# KiCad board dilemma.kicad_pcb (continued)
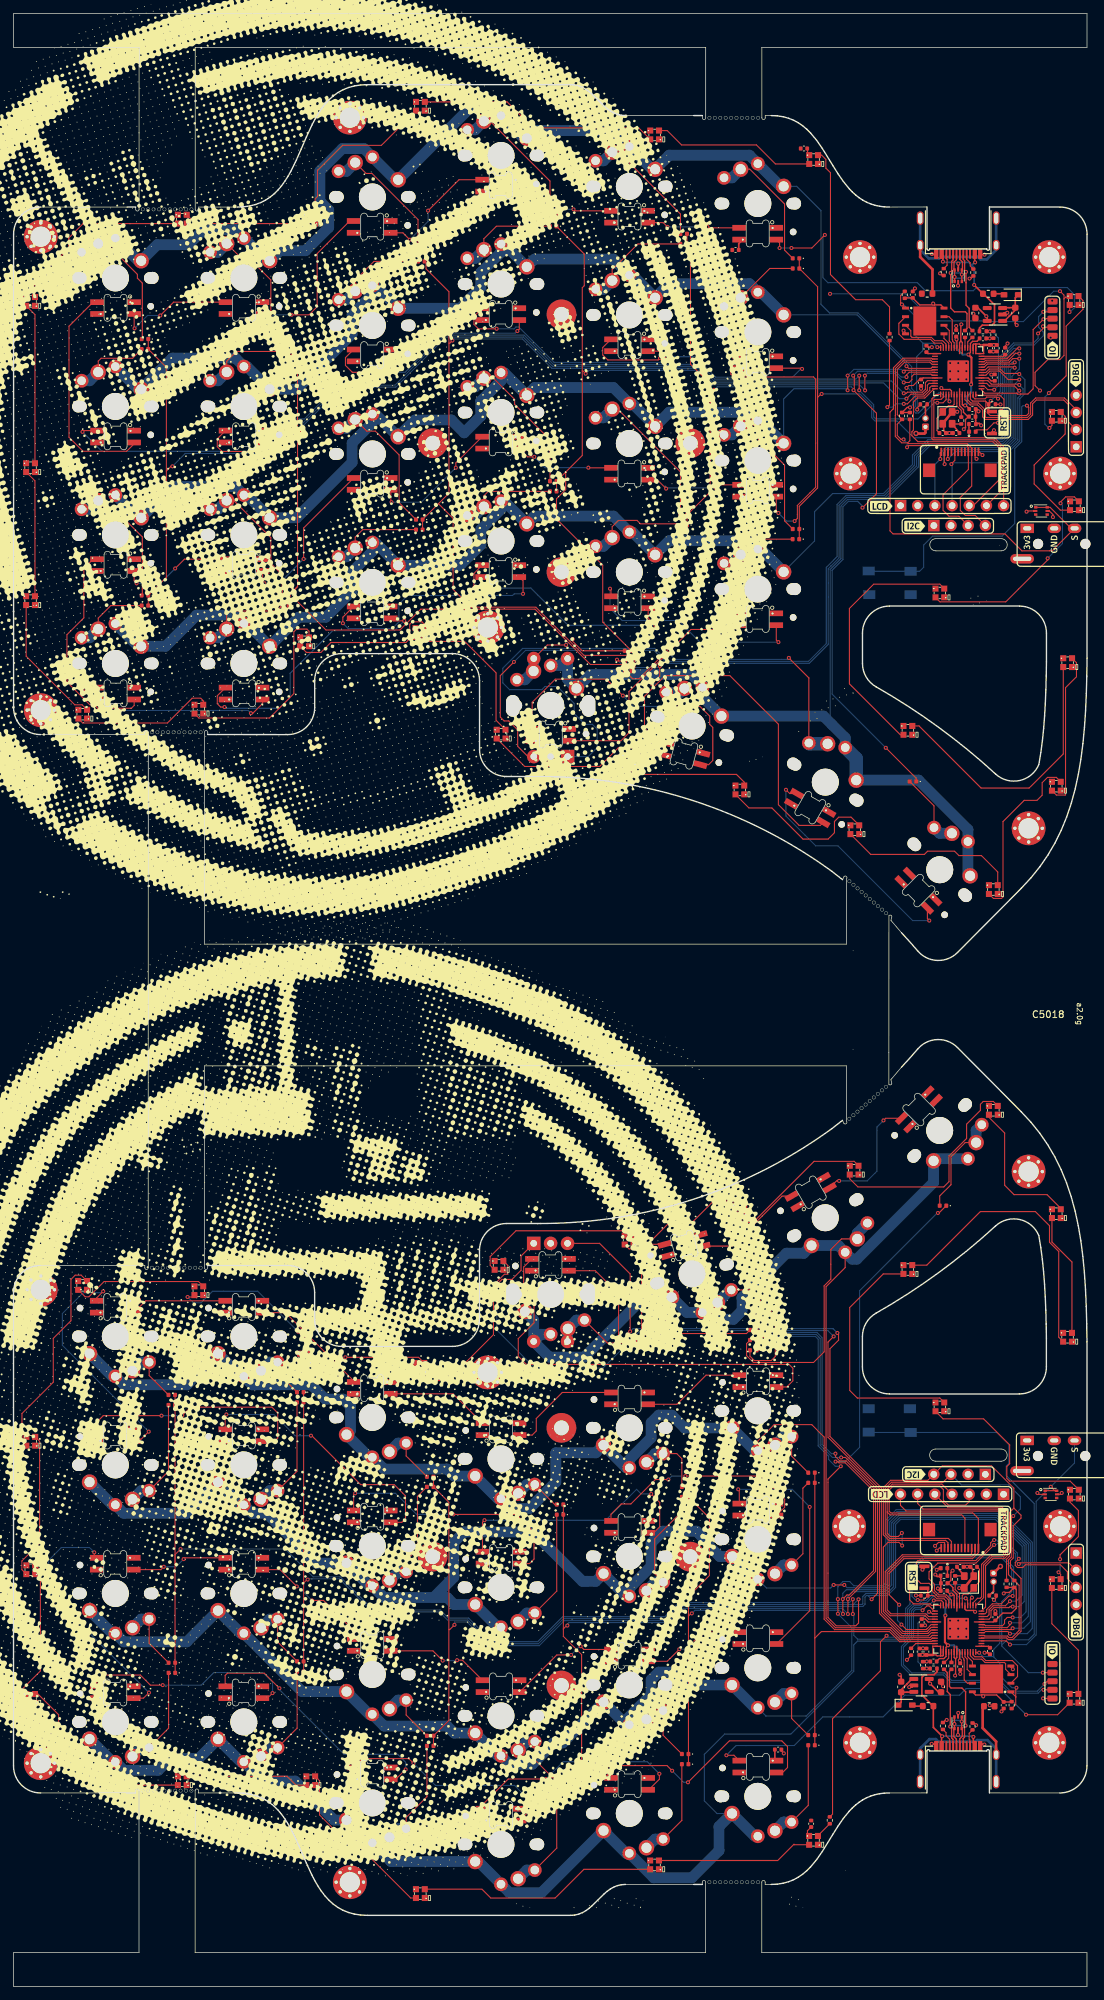
[diagram p0: board, top side]
## Routing (per net, layer and track width the routed paths; a pad name or vN(x,y) marks a point on that pad's centre or on a via; arc(x,y) is an arc through that point) (continued)
Net-(D5076-A): length 23.1
  Top w0.16: D5076.2 79.32,228.7 74.1,233.92 74.1,234.67 70.97,237.8 SW108.2
  Bottom w1.6: SW108.2 68.27,236.52 SW108.2
Net-(D5077-A): length 16.3
  Top w0.16: D5077.2 92.32,257.64 88.52,253.84 SW112.2
  Bottom w1.6: SW112.2 87.24,250.95 SW112.2
Net-(D5078-A): length 23.3
  Top w0.16: SW113.2 89.34,233.23 98.61,223.95 D5078.2
  Bottom w1.6: SW113.2 87.24,231.95 SW113.2
Net-(D5079-A): length 12.5
  Top w0.16: D5079.2 111.83,254.02 107.52,249.71 SW115.2
  Bottom w1.6: SW115.2 106.24,248.42 SW115.2
Net-(D5080-A): length 21.8
  Top w0.16: SW116.2 108.27,230.7 114.01,224.95 114.01,216.7 D5080.2
  Bottom w1.6: SW116.2 106.24,229.42 SW116.2
Net-(D5081-A): length 14.7
  Top w0.16: D5081.2 70.2,221.07 69.55,220.42 SW109.2
  Bottom w1.6: SW109.2 68.27,217.52 SW109.2
Net-(D5083-A): length 17.2
  Top w0.16: SW5003.2 41.91,76.17 41.91,86.37
  Bottom w1.6: SW5003.2 37.87,73.31 SW5003.2
Net-(D5084-A): length 22.1
  Top w0.16: D5084.2 108.9,93.18 109.53,92.55 112.03,92.55 112.64,93.16 112.64,99.18 108.83,102.99 SW5005.2
  Bottom w1.6: SW5005.2 105.97,102.99 SW5005.2
Net-(D5085-A): length 38.1
  Top w0.16: SW5009.2 122.43,110.53 120.85,108.96 120.85,104.57 119.86,103.59 119.86,93.83 118.3,92.26 109.41,92.26 108.4,93.28 108.4,95.07 D5085.2
  Bottom w1.6: SW5009.2 124.77,111.38 SW5009.2
Net-(D5086-A): length 16.8
  Top w0.16: SW5007.2 58.05,62.98 59.72,64.65 59.72,72.46 D5086.2
  Bottom w1.6: SW5007.2 56.87,61.34 SW5007.2
Net-(D5087-A): length 18.9
  Top w0.16: SW5011.2 80.33,58.46 D5087.2
  Bottom w1.6: SW5011.2 75.9,55.21 SW5011.2
Net-(D5089-A): length 17.8
  Top w0.16: D5089.2 98.83,70.23 94.8,66.2 94.8,61.04 SW5015.2
  Bottom w1.6: SW5015.2 94.87,59.79 SW5015.2
Net-(D5090-A): length 16.2
  Top w0.16: SW5018.2 116.72,63.98 116.72,73.68 D5090.2
  Bottom w1.6: SW5018.2 113.87,62.31 SW5018.2
Net-(D5091-A): length 21.5
  Top w0.16: SW5023.2 34.01,255.22 35.15,255.22 38.05,252.32 38.05,244.88 D5091.2
  Bottom w1.6: SW5023.2 30.24,256.42 SW5023.2
Net-(D5092-A): length 20.5
  Top w0.16: 59.81,256.57 59.81,261.25 53,268.07 52.13,268.07 SW5024.2
  Bottom w1.6: SW5024.2 49.24,268.4 SW5024.2
Net-(D5093-A): length 21.6
  Top w0.16: D5093.2 79.32,266.94 70.47,275.8 SW5025.2
  Bottom w1.6: SW5025.2 68.27,274.52 SW5025.2
Net-(D5094-A): length 19.8
  Top w0.16: D5094.2 98.61,262.07 89.46,271.23 SW5026.2
  Bottom w1.6: SW5026.2 87.24,269.95 SW5026.2
Net-(D5095-A): length 20.1
  Top w0.16: D5095.2 114.01,256.73 114.01,263.55 108.87,268.7 SW5027.2
  Bottom w1.6: SW5027.2 106.24,267.42 SW5027.2
Net-(D5096-A): length 11.8
  Top w0.16: D5096.2 14.38,204.18 12.52,202.32 SW5031.2
  Bottom w1.6: SW5031.2 11.24,199.42 SW5031.2
Net-(D5097-A): length 20.6
  Top w0.16: D5097.2 19.05,243.68 19.05,251.85 18.32,252.58 18.32,253.15 13.77,257.7 SW5028.2
  Bottom w1.6: SW5028.2 11.24,256.42 SW5028.2
Net-(D5098-A): length 11.8
  Top w0.16: D5098.2 17.6,240.74 12.95,240.74 12.52,240.32 SW5029.2
  Bottom w1.6: SW5029.2 11.24,237.42 SW5029.2
Net-(D5099-A): length 20.4
  Top w0.16: SW5030.2 14.76,217.47 15.9,217.47 19.05,214.32 19.05,205.78 D5099.2
  Bottom w1.6: SW5030.2 11.24,218.42 SW5030.2
Net-(D5100-A): length 9
  Top w0.16: D5100.2 20.05,90.33 SW5034.2
  Bottom w1.6: SW5034.2 18.87,92.31 SW5034.2
Net-(D5101-A): length 10.6
  Top w0.16: D5101.2 20.05,50.74 SW5032.2
  Bottom w1.6: SW5032.2 18.87,54.31 SW5032.2
Net-(D5102-A): length 16.8
  Top w0.16: D5102.2 22.91,76.17 SW5033.2
  Bottom w1.6: SW5033.2 18.87,73.31 SW5033.2
Net-(D5103-A): length 15.4
  Top w0.16: SW5035.2 41.93,38.19 D5103.2
  Bottom w1.6: SW5035.2 37.87,35.31 SW5035.2
Net-(D5104-A): length 16.5
  Top w0.16: SW5036.2 58.05,24.98 61.13,28.06 D5104.2
  Bottom w1.6: SW5036.2 56.87,23.34 SW5036.2
Net-(D5105-A): length 15.9
  Top w0.16: D5105.2 80.33,20.46 SW5037.2
  Bottom w1.6: SW5037.2 75.9,17.21 SW5037.2
Net-(D5106-A): length 15.2
  Top w0.16: SW5038.2 98.83,24.56 D5106.2
  Bottom w1.6: SW5038.2 94.87,21.79 SW5038.2
Net-(D5107-A): length 15.4
  Top w0.16: D5107.2 117.51,26.77 SW5039.2
  Bottom w1.6: SW5039.2 113.87,24.31 SW5039.2
Net-(D5108-A): length 15.2
  Top w0.16: D5108.2 22.93,38.19 SW5040.2
  Bottom w1.6: SW5040.2 18.87,35.31 SW5040.2
Net-(D5115-DOUT): length 21.9
  Top w0.16: D5116.1 3.86,80.61 3.86,65.54 1.24,62.92 1.24,61.63 D5115.3
Net-(D5117-DOUT): length 13.8
  Top w0.16: v1(96.7,260.17) 96.07,260.79 D5122.3 ; 107.29,260.03 102.73,260.03 v1(102.6,260.17)
  Bottom w0.16: v1(102.6,260.17) v1(96.7,260.17)
Net-(D5118-DIN): length 17.2
  Top w0.16: v1(21.7,247.07) 23.67,249.04 D5119.1 ; v1(17.9,245.17) 17.84,245.23 17.84,247.29
  Bottom w0.16: v1(17.9,245.17) 19.8,247.07 v1(21.7,247.07)
Net-(D5118-DOUT): length 33.2
  Top w0.16: 17.84,228.29 17.84,228.11 16.73,226.99 10.27,226.99 8.2,229.07 8.2,245.48 11.76,249.04 D5118.1
Net-(D5119-DIN): length 26.7
  Top w0.16: D5120.1 49.71,261.04 44.9,256.23 44.9,248.37 43.7,247.17 v1(41.1,247.17) ; v1(36.7,245.37) 36.84,245.51 36.84,247.29
  Bottom w0.16: v1(36.7,245.37) 38.5,247.17 v1(41.1,247.17)
Net-(D5120-DIN): length 18.5
  Top w0.16: D5120.3 57.57,259.29 v1(58.6,258.27) ; v1(61.3,262.57) 65.87,267.14 D5121.1
  Bottom w0.16: v1(61.3,262.57) 61.3,260.97 v1(58.6,258.27)
Net-(D5121-DIN): length 14.7
  Top w0.16: D5122.1 83.02,262.54 v1(82.8,262.77) ; v1(77.4,264.27) 76.27,265.39 74.79,265.39
  Bottom w0.16: v1(77.4,264.27) 78.9,262.77 v1(82.8,262.77)
Net-(D5124-DOUT): length 32.9
  Top w0.16: D5125.3 17.84,189.41 17.43,188.99 12.45,188.99 11.92,189.52 11.27,189.52 7.9,192.89 7.9,199.87 10.4,202.37 10.4,209.68 11.76,211.04 D5124.1
Net-(D5126-A): length 15.5
  Top w0.16: SW5042.2 140.72,124.77 138.62,122.67 138.62,118.55 136.95,116.88 D5126.2
  Bottom w1.6: SW5042.2 142.34,126.58 SW5042.2
Net-(D5128-DOUT): length 37.7
  Top w0.16: D5129.3 87.55,31.63 87.55,32.08 88.13,32.66 96.63,32.66 v1(97.39,31.9) ; v1(99.73,30.19) 105.86,36.32 113.6,36.32 114.45,35.47 114.45,32.37 113.72,31.64 D5128.1
  Bottom w0.16: v1(97.39,31.9) 99.1,30.19 v1(99.73,30.19)
Net-(D5129-DOUT): length 33.2
  Top w0.16: v1(95.5,31.45) 95.5,30.65 93.93,29.08 D5129.1 ; v1(78.72,30.68) 73.16,30.68 69.34,26.87 D5130.3
  Bottom w0.16: v1(95.5,31.45) 93.72,33.23 81.27,33.23 v1(78.72,30.68)
Net-(D5130-DOUT): length 33
  Top w0.16: D5130.1 76.66,26.35 v1(76.66,27.16) ; D5131.3 50.29,32.42 51.55,33.68 58.46,33.68 v1(59.13,33)
  Bottom w0.16: v1(76.66,27.16) 74.09,29.73 62.41,29.73 v1(59.13,33)
Net-(D5131-DOUT): length 37.9
  Top w0.16: D5132.3 31.29,45.99 31.62,46.32 37.09,46.32 v1(39.32,44.09) ; D5131.1 56.51,30.63 v1(57.98,32.1)
  Bottom w0.16: v1(39.32,44.09) 39.32,43.89 48.88,34.33 56.81,34.33 57.98,33.16 v1(57.98,32.1)
Net-(D5132-DOUT): length 32.4
  Top w0.16: v1(38.3,43.38) 37.55,42.63 D5132.1 ; v1(22.06,44.56) 20.24,44.56 18.75,46.05 13.38,46.05 12.29,44.97 D5133.3
  Bottom w0.16: v1(22.06,44.56) 27.76,44.56 29.62,46.42 36.88,46.42 38.3,45 v1(38.3,43.38)
Net-(D5133-DOUT): length 37.1
  Top w0.16: D5134.3 11.94,63.74 v1(11.94,64.19) ; D5133.1 19.21,42.63 v1(20.03,43.45)
  Bottom w0.16: v1(20.03,43.45) 5.2,58.28 5.2,63.03 7.07,64.9 11.23,64.9 v1(11.94,64.19)
Net-(D5135-DOUT): length 34.7
  Top w0.16: v1(13.26,102.78) 12.29,101.81 D5136.3 ; D5135.1 18.58,80.63 v1(19.99,82.04)
  Bottom w0.16: v1(13.26,102.78) 13.06,102.58 10.3,102.58 7.22,99.5 7.22,94.81 v1(19.99,82.04)
Net-(D5138-DOUT): length 41.1
  Top w0.16: D5138.3 155.22,182.24 150.18,177.2 143.08,177.2 133.9,186.38 D5139.1
Net-(D5139-DOUT): length 38.1
  Top w0.16: D5140.1 136.97,207.34 127.2,207.34 123.6,203.75 123.6,192.61 131.13,185.08 D5139.3
Net-(D5141-DOUT): length 42.4
  Top w0.16: D5142.1 135.05,106.66 142.96,114.57 151.1,114.57 153.19,112.48 153.19,110.03 154.55,108.67 154.55,95.99 D5141.3
Net-(D5142-DOUT): length 37
  Top w0.16: D5142.3 128.61,105.36 123.65,100.4 123.65,88.13 124.77,87 136.97,87 D5143.1
Net-(J1-CC1): length 2.6
  Top w0.16: 140.93,256.09 140.93,255.39 141.46,254.86 141.46,254.4 R4.1
Net-(J1-CC2): length 2.3
  Top w0.16: R5.1 138.05,254.5 138.05,255.38 137.93,255.5 137.93,256.09
Net-(J1-SHIELD): length 29.7
  Top w0.4: FB1.2 135.89,253.89 134.06,255.72 134.06,257.39
  Bottom w0.4: 134.06,261.39 134.06,256.79 135.34,255.51 136.89,255.51 137.11,255.73 142.61,255.73 142.97,255.37 143.92,255.37 145.3,256.76 145.3,261.39
Net-(J5-Pin_2): length 2.2
  Top w0.25: J5.2 134.84,233.67 R3.1
Net-(J5001-CC1): length 2.6
  Top w0.16: 138.42,35.85 138.42,36.55 137.89,37.08 137.89,37.54 R5005.1
Net-(J5001-CC2): length 2.3
  Top w0.16: 141.42,35.85 141.42,36.44 141.31,36.56 141.31,37.44 R5004.1
Net-(J5001-SHIELD): length 30.4
  Top w0.4: 145.29,34.55 145.29,36.22 143.31,38.21 143.31,41.25 FB5001.2
  Bottom w0.4: 134.2,35.33 134.07,35.19 J5001.S1 ; 134.2,35.33 135.44,36.57 136.39,36.57 136.75,36.2 142.25,36.2 142.47,36.43 144.02,36.43 145.31,35.14 J5001.S1 ; 134.2,35.33 134.05,35.18
Net-(J5002-Pin_2): length 2.3
  Top w0.25: J5002.2 144.92,58.44 R5003.1
Net-(U1-USB_DM): length 1.9
  Top w0.16: R7.2 141.74,243.82 141.09,243.18 U1.46
Net-(U1-USB_DP): length 1.6
  Top w0.16: U1.47 R6.2
Net-(U1-XIN): length 7.3
  Top w0.16: U1.20 139.09,233.93 138.89,233.73 138.24,233.73 137.39,232.88 Y1.1 137.39,232.73 136.54,231.88 136.54,230.05 C3.1
Net-(U1-XOUT): length 3.6
  Top w0.16: R8.2 140.14,233.05 139.49,233.7 U1.21
Net-(U5002-USB_DM): length 1.9
  Top w0.16: U5002.46 138.29,48.56 137.64,47.91 R5007.2
Net-(U5002-USB_DP): length 1.6
  Top w0.16: U5002.47 R5006.2
Net-(U5002-XIN): length 7.3
  Top w0.16: C5005.1 142.84,61.68 142.84,59.85 141.99,59 Y5001.1 141.99,58.85 141.14,58 140.49,58 140.29,57.8 U5002.20
Net-(U5002-XOUT): length 3.6
  Top w0.16: R5008.2 139.24,58.68 139.89,58.03 U5002.21

## Copper pours and planes (outline as drawn; the poured copper is in the pictures)
+3V3 on Top: 142.49,235.97 136.89,235.97 136.89,241.57 142.49,241.57
+3V3 on In1.Cu: 179.74,144.57 -10.07,159.76 -19.49,291.85 182.28,280.82
+3V3_L on Top: 136.89,55.77 142.49,55.77 142.49,50.17 136.89,50.17
+3V3_L on In1.Cu: -11.15,148.73 92.46,143.09 177.6,139.07 176.66,-5.94 -13.54,3.74
GND on Top, Bottom, In2.Cu: 185.5,284.05 179.6,145.08 -11.42,161.64 -19.76,291.04
GND_L on Top, Bottom, In2.Cu: -11.96,148.19 177.85,139.46 176.93,1.32 -9.23,4.55

## Text on the board
User.Drawings: rot -45 | rot -30
F.Silkscreen: a2.0g | R | L
